# Altium PCB PrintNC_GRBLHAL_Breakout.pcbdoc (part 6 of 9) (continued)
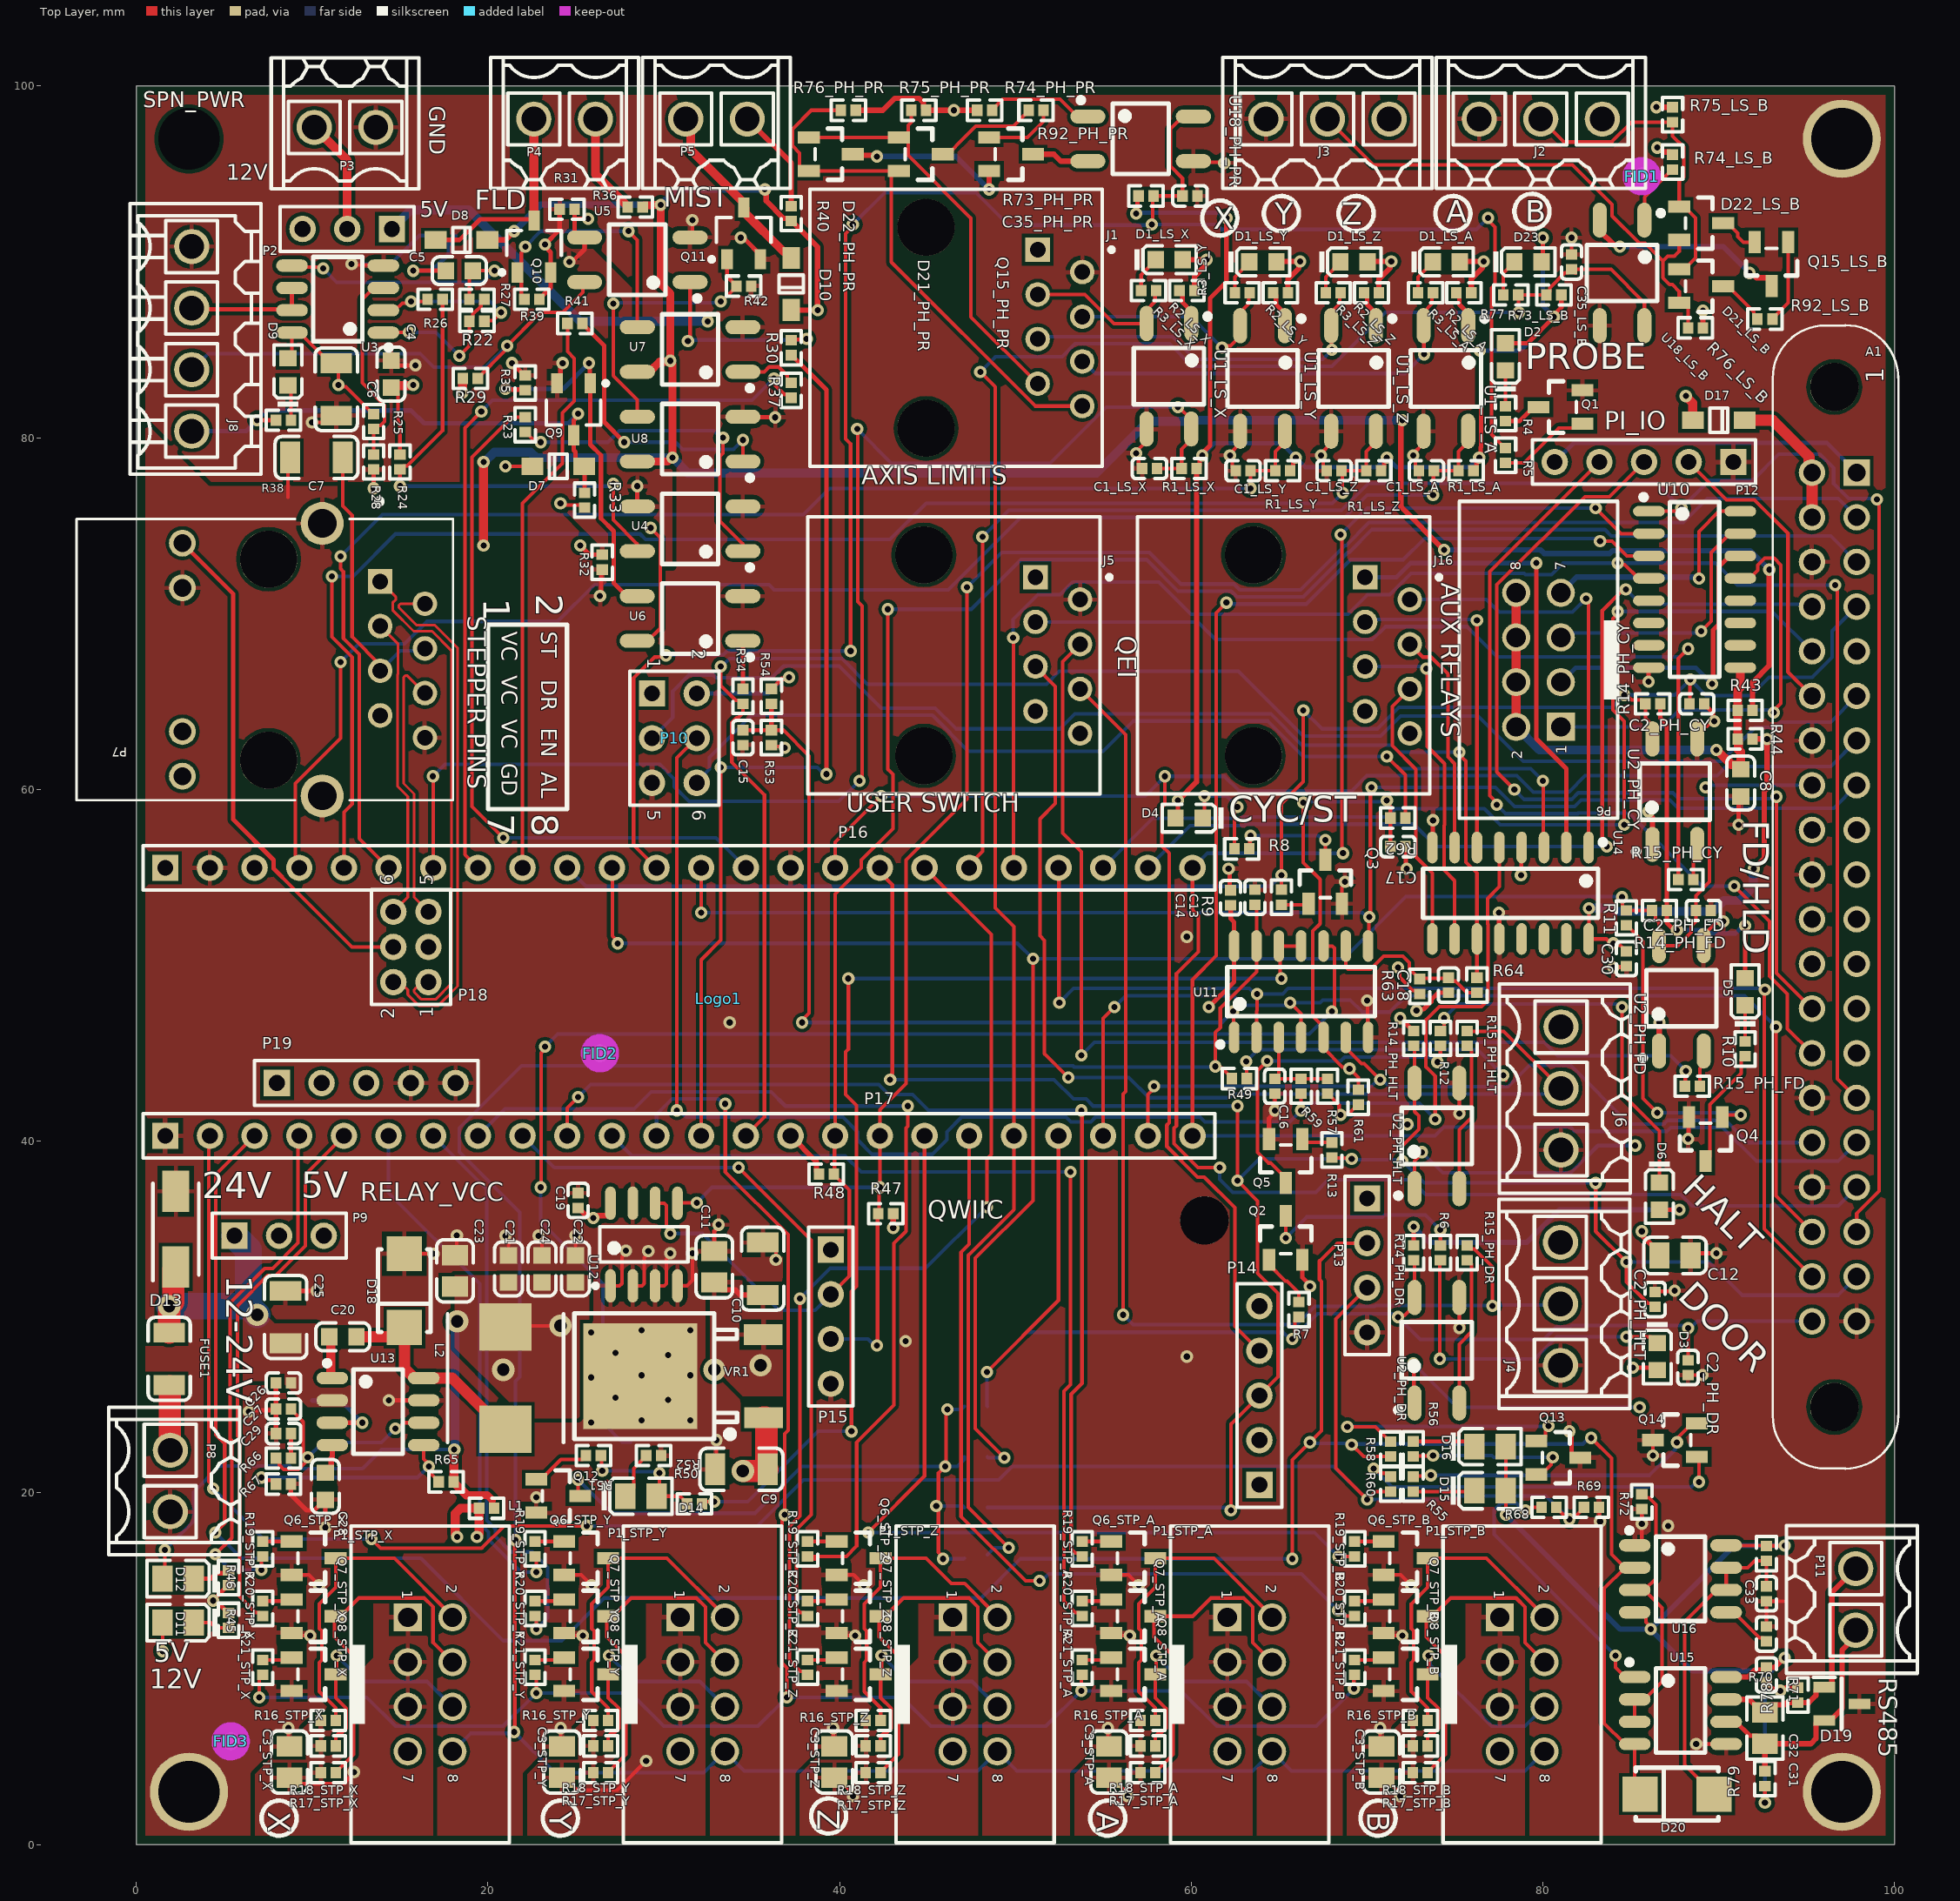
[diagram p0: Top Layer view]
## Nets (pads, with @x,y where several pads share a name; then routed paths per layer and width w, separated by ;. In a path a pad name is that pad's centre, name@x,y a point inside that pad or via, vN(x,y) a via of type N, cw(c..) or ccw(c..) an arc to the next point about the centre after c; other vN are vias at no path point) (continued)
  other v1: 87.125,18.125 85.625,18.25 22.75,19.75 25.875,24 28.75,24.125 31.5,24.125 30.25,25.281 27.25,25.406 25.875,26.562 28.75,26.688 31.5,26.688 59.75,27.75 30.25,27.844 27.25,27.969 43.75,28.625 25.875,29.125 28.75,29.25 31.5,29.25 33.75,46.75 59.75,51.625 62.2,79 67.375,79 72.625,79 56.875,79.125
HALT: A1.37 C2_PH_HLT.2 J13.2 P14.3 P16.17 R13.1 R14_PH_HLT.1 U2_PH_HLT.4 | length 124.3
  Top Layer w0.203: P16.17@42.291,55.547 42.291,55.283 43,54.574 43,43.867 42.97,43.837 42.97,43.595 v1(42.875,43.5) ; v1(62.25,19) 62.25,23.915 64.93,26.595 64.93,31.34 63.77,32.499 63.77,36.605 v1(62.625,37.75) v1(62.625,42) ; R13.1@68,39.075 68.037,39.038 69.087,39.038 v1(69.125,39) ; v1(72,38.875) 72,39.742 72.946,40.687 72.946,41.435 72.702,41.679 72.702,45.364 R14_PH_HLT.1@72.644,45.422 ; v1(83,37.625) 83,34.875 v1(84.75,33.125) 84.75,31.994 85.971,30.773 86.177,30.773 C2_PH_HLT.2@86.375,30.575
  Bottom Layer w0.203: v1(42.875,43.5) 52.199,43.5 53.295,42.405 54.021,42.405 54.426,42 v1(62.625,42) ; J13.2@48.397,19.169 61.947,19.169 62.116,19 v1(62.25,19) ; v1(62.625,37.75) 63.875,39 v1(69.125,39) 69.187,38.938 71.937,38.938 73.25,37.625 v1(83,37.625) ; v1(84.75,33.125) 89.449,33.125 91.333,31.241 96.784,31.241 A1.37@97.843,32.3
HALT_out: J5.5 J6.A2 R15_PH_HLT.1 | length 60.3
  Top Layer w0.203: J5.5@51.14,66.99 52.274,65.856 52.274,59.205 51.396,58.328 51.396,51.677 51.655,51.419 51.655,44.97 v1(53,43.625) ; R15_PH_HLT.1@75.692,46.272 75.712,46.252 77.778,46.252 J6.A2@81.03,43
  Bottom Layer w0.203: v1(53,43.625) 56.449,43.625 57.604,42.47 62.17,42.47 62.388,42.689 80.719,42.689 J6.A2@81.03,43
HOLD_out: J5.4 R15_PH_FD.1 | length 60.5
  Top Layer w0.203: J5.4@53.68,68.26 52.68,67.26 52.68,57.529 53.75,56.459 v1(53.75,44.875) ; R15_PH_FD.1@88.075,43.125 88.1,43.15 88.1,43.975 v1(88.125,44)
  Bottom Layer w0.203: v1(53.75,44.875) 54.49,45.615 80.07,45.615 80.83,44.855 87.27,44.855 v1(88.125,44)
KPSTR: A1.13 P14.4 P16.16 | length 98.8
  Top Layer w0.203: P16.16@39.751,55.547 39.751,57.001 v1(42.375,59.625) ; v1(58.5,60.75) 58.5,59.156 58.335,58.991 58.335,56.79 58.75,56.375 58.75,41.052 58.61,40.912 58.61,39.702 60.353,37.959 60.738,37.959 62.481,36.217 62.481,29.474 P14.4@63.875,28.08
  Bottom Layer w0.203: v1(42.375,59.625) 57.375,59.625 v1(58.5,60.75) 61.899,60.75 62.72,59.929 69.129,59.929 69.979,60.78 78.521,60.78 79.455,59.845 81.47,59.845 82.405,60.78 89.905,60.78 90.424,61.299 96.362,61.299 A1.13@97.843,62.78
LIMIT_SW_LS_A: J1.6 R3_LS_A.1 U1_LS_A.2 | length 23.9
  Top Layer w0.203: U1_LS_A.2@73.21,86.375 73.23,86.355 73.23,84.77 v1(73.25,84.75) ; U1_LS_A.2@73.21,86.4 73.21,87.137 73.694,87.62 73.694,88.218 R3_LS_A.1@73.75,88.275
  Bottom Layer w0.203: J1.6@53.805,84.345 53.844,84.345 54.532,83.658 72.158,83.658 v1(73.25,84.75)
LIMIT_SW_LS_B: Q15_LS_B.3 U18_LS_B.2 | length 11.8
  Top Layer w0.305: U18_LS_B.2@83.23,92.375 83.23,91.775 84.054,90.951 84.299,90.951 v1(84.375,90.875) ; v1(91.75,89.375) 91.857,89.375 92.134,89.098 92.802,89.098 93,88.9 Q15_LS_B.3@93,88.625
  Bottom Layer w0.305: v1(84.375,90.875) 90.25,90.875 v1(91.75,89.375)
LIMIT_SW_LS_X: J1.3 R3_LS_X.1 U1_LS_X.2 | length 9
  Top Layer w0.203: J1.3@51.265,88.155 53.949,88.155 55.604,86.5 U1_LS_X.2@57.46,86.5 57.46,87.261 57.944,87.745 57.944,88.319 R3_LS_X.1@58,88.375
LIMIT_SW_LS_Y: J1.4 R3_LS_Y.1 U1_LS_Y.2 | length 12.7
  Top Layer w0.203: v1(61.75,85.125) 61.845,85.22 62.23,85.22 62.785,85.775 62.785,87.137 63.269,87.62 63.269,88.194 R3_LS_Y.1@63.325,88.25
  Bottom Layer w0.203: J1.4@53.805,86.885 59.99,86.885 v1(61.75,85.125)
LIMIT_SW_LS_Z: J1.5 R3_LS_Z.1 U1_LS_Z.2 | length 21
  Top Layer w0.203: U1_LS_Z.2@67.96,86.375 67.98,86.355 67.98,85.02 v1(68,85) ; U1_LS_Z.2@67.96,86.4 67.96,87.137 68.444,87.62 68.444,88.218 R3_LS_Z.1@68.5,88.275
  Bottom Layer w0.203: J1.5@51.265,85.615 51.401,85.751 58.934,85.751 60.215,84.47 67.47,84.47 v1(68,85)
LIMIT_SW_PH_PR: Q15_PH_PR.3 U18_PH_PR.2 | length 3.3
  Top Layer w0.305: Q15_PH_PR.3@51,96.125 52.187,96.125 52.582,95.73 U18_PH_PR.2@54.125,95.73
MAXLIM_LS_B: D21_LS_B.2 D22_LS_B.2 J3.A2 R76_LS_B.1 | length 29.2
  Top Layer w0.203: J3.A2@67.75,98.125 70.351,95.524 81.677,95.524 83.935,93.267 83.935,92.614 85.478,91.07 85.801,91.07 86.82,90.051 ; D22_LS_B.2@87.75,91.25 87.75,90.595 87.478,90.323 87.092,90.323 86.82,90.051 ; R76_LS_B.1@88.25,86.25 88.25,87.427 88.002,87.675 D21_LS_B.2@87.75,87.675 87.75,88.33 87.365,88.714 87.205,88.714 86.82,89.099 86.82,90.051
MAXLIM_PH_PR: D21_PH_PR.2 D22_PH_PR.2 J1.8 R76_PH_PR.1 | length 30.8
  Top Layer w0.203: R76_PH_PR.1@40.075,98.625 38.394,98.625 37.32,97.551 37.32,96.599 37.727,96.193 37.727,95.423 37.975,95.175 D21_PH_PR.2@43.198,95.175 ; D21_PH_PR.2@43.375,95.175 D21_PH_PR.2@43.198,95.175 ; J1.8@53.805,81.805 51.121,81.805 42.934,89.992 42.934,94.927 43.183,95.175 D21_PH_PR.2@43.198,95.175
MINLIM_LS_B: D21_LS_B.1 D22_LS_B.1 J2.A2 R75_LS_B.1 | length 18.3
  Top Layer w0.203: J2.A2@79.875,98.125 81.18,96.82 83.915,96.82 85.045,97.95 R75_LS_B.1@87.375,97.95 87.375,97.156 88.005,96.526 88.005,94.824 87.75,94.569 D22_LS_B.1@87.75,93.15 88.025,93.15 88.68,92.495 88.68,90.23 88.025,89.575 D21_LS_B.1@87.75,89.575
MINLIM_PH_PR: D21_PH_PR.1 D22_PH_PR.1 J1.7 R75_PH_PR.1 | length 24.3
  Top Layer w0.203: D22_PH_PR.1@38.25,97.075 D21_PH_PR.1@43.65,97.075 ; R75_PH_PR.1@44.075,98.625 44.075,97.951 43.898,97.774 43.898,97.323 D21_PH_PR.1@43.65,97.075 ; J1.7@51.265,83.075 47.468,86.872 47.468,92.488 43.898,96.057 43.898,96.827 D21_PH_PR.1@43.65,97.075
MIST: P16.9 R41.1 | length 32.3
  Top Layer w0.203: P16.9@21.971,55.547 21.971,76.265 24.245,78.54 24.245,81.421 24.905,82.08 24.905,84.521 24.525,84.901 R41.1@24.525,86.5
MIST_n: D10.1 P5.A2 Q11.3 | length 10.2
  Top Layer w0.508: P5.A2@31.25,98.125 31.535,97.84 31.535,96.365 Q11.3@34.479,93.421 ; Q11.3@34.55,93.1 34.621,93.029 34.621,92.779 36.804,90.596 37.004,90.596 37.25,90.35 D10.1@37.25,90.225
NetA1_2: A1.2 A1.4 D17.2 | length 8
  Top Layer w0.635: D17.2@91.475,81 93.053,81 95.136,78.917 95.136,78.187 A1.2@95.303,78.02 A1.4@95.303,75.48
NetC5_1: C5.1 J7.2 | length 5.5
  Top Layer w0.254: v1(15.75,89.5) C5.1@17.605,89.5
  Bottom Layer w0.254: v1(15.75,89.5) 16.817,89.5 17.777,90.46 17.777,91.127 J7.2@18.15,91.5
NetC5_2: C5.2 R27.1 U3.5 | length 15.1
  Top Layer w0.203: U3.5@8.856,89.791 8.939,89.708 10.542,89.708 v1(10.625,89.625) ; R27.1@18.95,87.875 18.95,89.305 C5.2@19.145,89.5 v1(20.375,89.5)
  Bottom Layer w0.203: v1(10.625,89.625) 11.405,88.845 19.72,88.845 v1(20.375,89.5)
NetC7_2: C7.2 P7.4 P7.5 | length 16.1
  Top Layer w0.203: C7.2@11.74,78.875 11.74,76.123 12.28,75.583 12.28,68.671 13.876,67.074 P7.5@13.876,66.752
  Bottom Layer w0.203: P7.5@13.876,66.752 15.006,67.882 16.276,67.882 P7.4@16.416,68.022
NetC15_2: C15.2 R53.1 R54.2 U11.1 | length 47.5
  Top Layer w0.203: C15.2@34.5,63.375 R53.1@36.125,63.375 36.801,63.375 38.266,61.91 38.266,47.275 37.875,46.884 v1(37.875,46.75) ; v1(62.375,47.375) 62.408,47.343 62.408,45.932 U11.1@62.44,45.9
  Top Layer w0.254: R53.1@36.125,63.375 R54.2@36.125,64.875
  Bottom Layer w0.203: v1(37.875,46.75) 61.75,46.75 v1(62.375,47.375)
NetC16_2: C16.2 R57.1 R59.2 U11.3 | length 5.4
  Top Layer w0.203: C16.2@64.75,43.55 C16.2@64.775,43.55 ; U11.3@64.98,45.9 64.98,44.436 64.973,44.429 64.973,43.748 C16.2@64.775,43.55 ; R57.1@67.75,43.55 R59.2@66.25,43.55 C16.2@64.775,43.55
NetC17_2: C17.2 R61.1 R62.2 U11.5 | length 25.7
  Top Layer w0.203: v1(66.375,59.25) 66.375,55.844 67.33,54.89 67.33,52.365 66.915,51.95 66.915,47.105 67.52,46.5 67.52,45.3 68.6,44.22 68.784,44.22 68.94,44.065 69.06,44.065 69.5,43.625 R61.1@69.5,42.925 ; v1(71.125,59.375) 71.125,59.241 71.325,59.041 C17.2@71.325,56.75
  Bottom Layer w0.203: v1(66.375,59.25) 66.437,59.313 71.063,59.313 v1(71.125,59.375)
  other v1: 69,44.125
NetC18_2: C18.2 R63.1 R64.2 U11.9 | length 10.2
  Top Layer w0.203: U11.9@68.79,51.1 68.79,49.895 68.909,49.776 70.191,49.776 70.945,50.53 72.021,50.53 72.405,50.146 72.405,49.795 72.975,49.225 R63.1@73,49.225 73.038,49.263 74.587,49.263 C18.2@74.625,49.3 74.823,49.102 75.029,49.102 75.681,48.45 R64.2@76.25,48.45
NetC20_1: C20.1 U13.1 | length 2.4
  Top Layer w0.508: C20.1@10.98,28.875 11.065,28.79 11.065,26.615 U13.1@11.15,26.53
NetC20_2: C20.2 D18.2 L2.1 U13.8 | length 12.4
  Top Layer w0.635: C20.2@12.52,28.875 14.725,28.875 D18.2@15.25,29.4 15.25,27.098 15.818,26.53 17.97,26.53 20.875,23.625 L2.1@21,23.625
NetC27_2: C27.2 R66.2 U13.6 | length 13
  Top Layer w0.203: R66.2@7.95,21.971 8.148,21.773 8.148,21.567 8.374,21.341 9.226,21.341 9.66,21.775 9.66,21.932 v1(9.755,22.027) ; C27.2@8.8,24.765 8.8,24.74 9.5,24.04 v1@9.5,22.027 ; v1(14.733,23.656) 14.867,23.656 15.201,23.99 U13.6@16.35,23.99
  Bottom Layer w0.203: v1(9.755,22.027) 10.597,22.869 13.946,22.869 v1(14.733,23.656)
NetC28_2: C28.2 U13.4 | length 1.8
  Top Layer w0.305: C28.2@10.75,21.145 10.775,21.145 11.088,21.458 11.088,21.972 11.15,22.035 U13.4@11.15,22.72
NetC29_2: C29.2 R66.1 | length 1.4
  Top Layer w0.254: R66.1@8.8,21.971 C29.2@8.8,23.375
NetC32_1: C32.1 U16.5 | length 3
  Top Layer w0.203: U16.5@90.421,13.208 90.848,13.208 92.306,11.75 92.512,11.75 C32.1@92.71,11.552
NetC33_2: C33.2 D20.1 R71.1 U16.6 U16.7 | length 18.9
  Top Layer w0.203: D20.1@89.725,2.875 88.06,4.54 88.06,12.667 89.871,14.478 U16.6@90.421,14.478 90.421,15.519 90.65,15.748 U16.7@90.671,15.748 ; U16.7@90.421,15.748 U16.7@90.671,15.748 ; C33.2@92.71,14.688 R71.1@92.71,16.129 92.034,16.129 91.653,15.748 U16.7@90.671,15.748
NetD1_LS_A_K: D1_LS_A.K R3_LS_A.2 | length 2.1
  Top Layer w0.203: R3_LS_A.2@72.9,88.275 72.9,89.145 73.73,89.975 D1_LS_A.K@73.73,90
NetD1_LS_X_K: D1_LS_X.K R3_LS_X.2 | length 2.1
  Top Layer w0.203: R3_LS_X.2@57.15,88.375 57.15,89.27 57.98,90.1 D1_LS_X.K@57.98,90.125
NetD1_LS_Y_K: D1_LS_Y.K R3_LS_Y.2 | length 2.1
  Top Layer w0.203: R3_LS_Y.2@62.475,88.275 62.475,89.145 63.305,89.975 D1_LS_Y.K@63.305,90
NetD1_LS_Z_K: D1_LS_Z.K R3_LS_Z.2 | length 2.1
  Top Layer w0.203: R3_LS_Z.2@67.65,88.275 67.65,89.145 68.48,89.975 D1_LS_Z.K@68.48,90
NetD2_K: D2.K R4.1 | length 2
  Top Layer w0.203: R4.1@77.875,81.8 D2.K@77.875,83.835
NetD3_K: D3.K R6.1 | length 18.7
  Top Layer w0.203: v1(74.125,27.625) 74.125,33.187 R6.1@74.168,33.23 ; v1(84.75,28.875) 86.145,28.875 D3.K@86.5,28.52
  Bottom Layer w0.203: v1(74.125,27.625) 79.53,27.625 80.78,28.875 v1(84.75,28.875)
NetD4_K: D4.K R8.1 | length 5.9
  Top Layer w0.203: D4.K@60.645,58.375 60.75,58.48 v1(60.75,59.625) ; R8.1@62.45,56.625 62.45,58.705 62.62,58.875 v1(62.62,59.009)
  Bottom Layer w0.203: v1(60.75,59.625) 62.004,59.625 v1(62.62,59.009)
NetD5_K: D5.K R10.1 | length 2.1
  Top Layer w0.203: R10.1@91.5,45.675 D5.K@91.5,47.73
NetD6_K: D6.K R12.1 | length 22.2
  Top Layer w0.203: R12.1@74.168,46.272 74.177,46.272 74.375,46.47 v1(74.375,47) ; v1(84.5,47.625) 84.5,42.699 86.625,40.574 D6.K@86.625,37.645
  Bottom Layer w0.203: v1(74.375,47) 75.18,47.805 84.186,47.805 84.366,47.625 v1(84.5,47.625)
NetD9_K: D9.K R38.2 | length 2.1
  Top Layer w0.203: D9.K@8.625,82.98 8.8,82.805 R38.2@8.8,81
NetD11_K: D11.K R45.2 | length 2.1
  Top Layer w0.203: D11.K@3.265,12.625 4.235,12.625 4.535,12.325 R45.2@5.25,12.325
NetD12_K: D12.K R46.2 | length 2.2
  Top Layer w0.254: D12.K@3.28,15.125 4.234,15.125 4.544,15.435 5.085,15.435 R46.2@5.25,15.6
NetD14_A: D14.A J10.2 R50.1 R51.1 | length 7.5
  Top Layer w0.203: R51.1@26.425,22.125 26.462,22.087 26.462,21.288 v1(26.5,21.25) ; v1(29.75,21.125) 29.75,19.97 D14.A@29.592,19.812 30.913,19.812 31.325,19.4 R50.1@31.325,19.375
  Bottom Layer w0.203: v1(26.5,21.25) 28.125,21.25 28.173,21.202 29.673,21.202 v1(29.75,21.125)
NetD14_K: D14.K R52.2 | length 2.8
  Top Layer w0.203: D14.K@27.812,19.812 28.29,20.29 28.29,21.39 29,22.1 R52.2@29,22.125
NetD15_K: D15.K R55.2 | length 3.5
  Top Layer w0.203: R55.2@72.625,20.075 76.053,20.075 D15.K@76.106,20.128
NetD16_K: D16.K R56.2 | length 3.6
  Top Layer w0.203: R56.2@72.625,22.925 75.809,22.925 D16.K@76.106,22.628
NetD21_LS_B_3: D21_LS_B.3 R92_LS_B.1 | length 2.8
  Top Layer w0.203: D21_LS_B.3@90.25,88.625 90.525,88.625 92.002,87.148 92.002,86.948 R92_LS_B.1@92.2,86.75
NetD21_PH_PR_3: D21_PH_PR.3 R92_PH_PR.1 | length 5.9
  Top Layer w0.203: D21_PH_PR.3@45.875,96.125 46.15,96.125 47.074,97.049 47.074,97.054 47.749,97.73 49.88,97.73 50.75,98.6 R92_PH_PR.1@50.75,98.625
NetD22_LS_B_3: D22_LS_B.3 Q15_LS_B.2 | length 2.4
  Top Layer w0.203: D22_LS_B.3@90.25,92.2 90.525,92.2 91.084,91.641 91.084,91.436 91.395,91.125 Q15_LS_B.2@92.05,91.125
NetD22_PH_PR_3: D22_PH_PR.3 Q15_PH_PR.2 | length 9.6
  Top Layer w0.305: D22_PH_PR.3@40.75,96.125 40.812,96.062 42.063,96.062 v1(42.125,96) ; v1(48.5,94.125) Q15_PH_PR.2@48.5,95.175
  Bottom Layer w0.305: v1(42.125,96) 46.625,96 v1(48.5,94.125)
NetD23_K: D23.K R77.2 | length 2.1
  Top Layer w0.203: R77.2@77.75,88.125 77.75,89.35 78.375,89.975 D23.K@78.375,90
NetFUSE1_1: FUSE1.1 P8.A1 | length 3.7
  Top Layer w0.762: FUSE1.1@1.875,26.135 FUSE1.1@1.907,26.103 ; P8.A1@1.907,22.455 P8.A1@1.939,22.423
  Top Layer w1.27: P8.A1@1.907,22.455 FUSE1.1@1.907,26.065
NetJ10_1: J10.1 U11.10 | length 74.9
  Top Layer w0.203: v1(23,37.375) 23.026,37.401 23.026,45.016 23.25,45.241 v1(23.25,45.375) ; U11.10@67.52,51.1 68.025,51.1 68.144,50.981 68.144,47.653 68,47.509 v1(68,47.375)
  Bottom Layer w0.203: v1(23,37.375) 23,35.426 26.53,31.896 26.53,23.995 27.625,22.9 J10.1@28.125,22.9 ; v1(23.25,45.375) 23.97,46.095 66.72,46.095 v1(68,47.375)
NetJ11_1: J11.1 J12.1 J13.1 J14.1 Q12.3 | length 38
  Top Layer w0.203: v1(25.125,20.75) 25.125,19.95 Q12.3@25.25,19.825 ; v1(45.875,16.25) 45.875,16.367 45.625,16.617 45.625,18.991 45.595,19.021 45.595,19.22 45.625,19.25 45.595,19.28 45.595,19.587 45.625,19.617 45.625,21.125 v1(46,21.5) ; v1@45.938,21.438 46.063,21.563 46.063,24.687 v1(46.125,24.75)
  Bottom Layer w0.203: v1(25.125,20.75) 27.03,18.845 35.187,18.845 37.842,21.5 46.699,21.5 47.097,21.898 J14.1@47.097,22.047 ; v1(45.5,19.25) 47.016,19.25 J13.1@47.097,19.169 ; v1(45.875,16.25) 47.057,16.25 J12.1@47.097,16.29 ; v1(46.125,24.75) 46.921,24.75 J11.1@47.097,24.926
NetJ15_2: J15.2 U13.3 | length 5.1
  Top Layer w0.254: U13.3@11.15,23.99 v1(12.865,23.99)
  Bottom Layer w0.254: J15.2@10.025,25.25 11.605,25.25 v1(12.865,23.99)
NetP4_A1: P4.A1 R36.2 | length 5.8
  Top Layer w0.508: P4.A1@26.114,98.125 26.114,94.986 27.904,93.196 27.904,93.171 R36.2@27.95,93.125
NetP5_A1: P5.A1 R40.2 | length 6
  Top Layer w0.305: P5.A1@34.75,98.125 37.25,95.625 R40.2@37.25,93.175
NetQ1_1: Q1.1 R5.2 | length 5.3
  Top Layer w0.203: R5.2@77.875,78.575 78.924,78.575 80.901,80.552 82.002,80.552 Q1.1@82.25,80.8
NetQ1_3: Q1.3 R4.2 | length 2.2
  Top Layer w0.254: R4.2@77.875,80.95 78.675,80.95 79.475,81.75 Q1.3@79.75,81.75
NetQ2_1: Q2.1 R7.2 | length 3.2
  Top Layer w0.203: Q2.1@64.425,33.25 64.425,32.975 65.35,32.05 65.448,32.05 66.125,31.374 R7.2@66.125,30.85
NetQ2_3: Q2.3 R6.2 | length 11.8
  Top Layer w0.203: v1(65.375,34.5) Q2.3@65.375,35.75 ; R6.2@74.168,34.08 v1(74.168,34.957)
  Bottom Layer w0.203: v1(65.375,34.5) 66.565,35.69 70.876,35.69 70.984,35.799 73.326,35.799 v1(74.168,34.957)
NetQ3_1: Q3.1 R9.2 | length 1.6
  Top Layer w0.203: R9.2@65.125,53.45 66.625,53.45 Q3.1@66.675,53.5
NetQ3_3: Q3.3 R8.2 | length 6.3
  Top Layer w0.203: R8.2@63.3,56.625 63.338,56.663 63.338,57.338 v1(63.375,57.375) ; Q3.3@67.625,56 v1(67.625,57.125)
  Bottom Layer w0.203: v1(63.375,57.375) 67.241,57.375 67.491,57.125 v1(67.625,57.125)
NetQ4_1: Q4.1 R11.2 | length 17.3
  Top Layer w0.203: R11.2@84.75,52.275 84.775,52.275 85.689,51.361 85.689,42.436 v1(86.5,41.625) ; Q4.1@90.2,41.375 90.325,41.5 v1(91.25,41.5)
  Bottom Layer w0.203: v1(86.5,41.625) 90.991,41.625 91.116,41.5 v1(91.25,41.5)
NetQ4_3: Q4.3 R10.2 | length 6.9
  Top Layer w0.203: Q4.3@89.25,38.875 89.498,39.123 89.498,42.079 91.277,43.857 91.277,44.627 91.475,44.825 R10.2@91.5,44.825
NetQ5_1: Q5.1 R13.2 | length 1.8
  Top Layer w0.203: Q5.1@66.325,40.125 66.525,39.925 R13.2@68,39.925
NetQ5_3: Q5.3 R12.2 | length 18.8
  Top Layer w0.203: v1(64.306,44.554) 63.77,44.018 63.77,39.374 64.383,38.761 64.514,38.761 65.375,37.9 Q5.3@65.375,37.625 ; v1(74,44.5) 74,44.634 74.168,44.802 R12.2@74.168,45.422
  Bottom Layer w0.203: v1(64.306,44.554) 68.504,44.554 68.729,44.78 73.586,44.78 73.866,44.5 v1(74,44.5)
NetQ6_STP_A_1: Q6_STP_A.1 R19_STP_A.2 | length 1.7
  Top Layer w0.203: R19_STP_A.2@53.799,17.236 Q6_STP_A.1@55.45,17.236
NetQ6_STP_B_1: Q6_STP_B.1 R19_STP_B.2 | length 1.7
  Top Layer w0.203: R19_STP_B.2@69.293,17.236 Q6_STP_B.1@70.944,17.236
NetQ6_STP_X_1: Q6_STP_X.1 R19_STP_X.2 | length 1.7
  Top Layer w0.203: R19_STP_X.2@7.19,17.236 Q6_STP_X.1@8.841,17.236
NetQ6_STP_Y_1: Q6_STP_Y.1 R19_STP_Y.2 | length 1.7
  Top Layer w0.203: R19_STP_Y.2@22.684,17.236 Q6_STP_Y.1@24.335,17.236
NetQ6_STP_Z_1: Q6_STP_Z.1 R19_STP_Z.2 | length 1.7
  Top Layer w0.203: R19_STP_Z.2@38.178,17.236 Q6_STP_Z.1@39.829,17.236
NetQ7_STP_A_1: Q7_STP_A.1 R20_STP_A.2 | length 1.7
  Top Layer w0.203: R20_STP_A.2@53.799,13.851 55.367,13.851 Q7_STP_A.1@55.45,13.934
NetQ7_STP_B_1: Q7_STP_B.1 R20_STP_B.2 | length 1.7
  Top Layer w0.203: R20_STP_B.2@69.293,13.851 70.861,13.851 Q7_STP_B.1@70.944,13.934
NetQ7_STP_X_1: Q7_STP_X.1 R20_STP_X.2 | length 1.7
  Top Layer w0.203: R20_STP_X.2@7.19,13.851 8.758,13.851 Q7_STP_X.1@8.841,13.934
NetQ7_STP_Y_1: Q7_STP_Y.1 R20_STP_Y.2 | length 1.7
  Top Layer w0.203: R20_STP_Y.2@22.684,13.851 24.252,13.851 Q7_STP_Y.1@24.335,13.934
NetQ7_STP_Z_1: Q7_STP_Z.1 R20_STP_Z.2 | length 1.7
  Top Layer w0.203: R20_STP_Z.2@38.178,13.851 39.746,13.851 Q7_STP_Z.1@39.829,13.934
NetQ8_STP_A_1: Q8_STP_A.1 R21_STP_A.2 | length 1.7
  Top Layer w0.203: R21_STP_A.2@53.799,10.505 55.323,10.505 Q8_STP_A.1@55.45,10.632
NetQ8_STP_B_1: Q8_STP_B.1 R21_STP_B.2 | length 1.7
  Top Layer w0.203: R21_STP_B.2@69.293,10.505 70.817,10.505 Q8_STP_B.1@70.944,10.632
NetQ8_STP_X_1: Q8_STP_X.1 R21_STP_X.2 | length 1.7
  Top Layer w0.203: R21_STP_X.2@7.19,10.505 8.714,10.505 Q8_STP_X.1@8.841,10.632
NetQ8_STP_Y_1: Q8_STP_Y.1 R21_STP_Y.2 | length 1.7
  Top Layer w0.203: R21_STP_Y.2@22.684,10.505 24.208,10.505 Q8_STP_Y.1@24.335,10.632
NetQ8_STP_Z_1: Q8_STP_Z.1 R21_STP_Z.2 | length 1.7
  Top Layer w0.203: R21_STP_Z.2@38.178,10.505 39.702,10.505 Q8_STP_Z.1@39.829,10.632
NetQ9_1: Q9.1 R35.1 U6.3 | length 21.3
  Top Layer w0.254: v1(21,82.783) 21.041,82.741 22.084,82.741 R35.1@22.125,82.7 ; v1(25.75,84.25) 25.787,84.212 25.787,83.138 Q9.1@25.825,83.1 25.825,79.617 26.43,79.012 26.43,75.419 27.155,74.694 27.155,71.734 27.896,70.993 U6.3@28.496,70.993
  Bottom Layer w0.254: v1(21,82.783) 24.283,82.783 v1(25.75,84.25)
NetQ10_1: Q10.1 R39.2 U7.3 | length 15.3
  Top Layer w0.203: R39.2@22.075,87.875 21.898,88.052 21.898,88.927 21.578,89.247 21.898,89.567 21.898,90.514 22.125,90.741 v1(22.125,90.875) ; v1(28,91.75) 28.5,91.25 U7.3@28.5,86.294
  Bottom Layer w0.203: v1(22.125,90.875) 23,91.75 v1(28,91.75)
NetQ11_1: Q11.1 R42.2 U8.3 | length 16
  Top Layer w0.203: v1(27.125,87.625) 27.125,83.533 28.5,82.158 U8.3@28.5,81.194 ; v1(33.25,87.75) 33.275,87.75 R42.2@34.125,88.6 ; Q11.1@33.6,90.15 33.6,89.175 R42.2@34.125,88.65
  Bottom Layer w0.203: v1@27.232,87.587 27.333,87.687 33.187,87.687 v1(33.25,87.75)
NetQ12_1: Q12.1 R51.2 | length 3.4
  Top Layer w0.203: Q12.1@22.75,20.775 23.025,20.775 24.152,21.902 25.377,21.902 25.575,22.1 R51.2@25.575,22.125
NetQ13_1: Q13.1 R58.1 | length 15.6
  Top Layer w0.203: v1(68.875,23.75) 70.48,23.75 71.309,22.921 R58.1@71.334,22.921 ; Q13.1@79.625,22.95 79.9,22.95 80.148,23.198 80.148,23.514 80.313,23.678 v1(80.313,23.812)
  Bottom Layer w0.203: v1(68.875,23.75) 68.906,23.781 80.281,23.781 v1(80.313,23.812)
NetQ13_2: Q13.2 R56.1 | length 9.5
  Top Layer w0.203: R56.1@72.625,22.075 72.65,22.1 73.725,22.1 v1(73.75,22.125) ; Q13.2@79.625,21.05 79.9,21.05 80.46,21.61 80.46,21.925 v1(80.555,22.021)
  Bottom Layer w0.203: v1(73.75,22.125) 77.1,22.125 77.205,22.021 v1(80.555,22.021)
NetQ14_1: Q14.1 R60.2 | length 21.7
  Top Layer w0.203: v1(70.375,21.375) 70.509,21.375 70.765,21.119 71.136,21.119 R60.2@71.334,20.921 ; Q14.1@88.75,22.05 88.875,21.925 v1(88.875,20.625)
  Bottom Layer w0.203: v1(70.375,21.375) 71.405,20.345 88.461,20.345 88.741,20.625 v1(88.875,20.625)
NetQ14_2: Q14.2 R55.1 | length 17.7
  Top Layer w0.203: R55.1@72.625,20.925 72.663,20.963 73.587,20.963 v1(73.625,21) ; v1(87.625,22.875) 87.72,22.97 87.72,23.195 88.475,23.95 Q14.2@88.75,23.95
  Bottom Layer w0.203: v1(73.625,21) 86.051,21 87.53,22.479 87.53,22.78 v1(87.625,22.875)
NetQ15_LS_B_1: Q15_LS_B.1 R92_LS_B.2 | length 4.7
  Top Layer w0.203: R92_LS_B.2@93.05,86.75 93.05,86.775 93.95,87.675 Q15_LS_B.1@93.95,91.125
NetQ15_PH_PR_1: Q15_PH_PR.1 R92_PH_PR.2 | length 4.1
  Top Layer w0.203: Q15_PH_PR.1@48.5,97.075 50.68,97.075 51.6,97.995 R92_PH_PR.2@51.6,98.625
NetR2_LS_A_1: R2_LS_A.1 U1_LS_A.1 | length 2.2
  Top Layer w0.254: R2_LS_A.1@75.075,88.275 75.248,88.102 75.248,87.577 75.75,87.075 U1_LS_A.1@75.75,86.4
NetR2_LS_X_1: R2_LS_X.1 U1_LS_X.1 | length 2.2
  Top Layer w0.254: R2_LS_X.1@59.325,88.375 59.498,88.202 59.498,87.702 60,87.2 U1_LS_X.1@60,86.5
NetR2_LS_Y_1: R2_LS_Y.1 U1_LS_Y.1 | length 2.2
  Top Layer w0.254: R2_LS_Y.1@64.65,88.275 64.823,88.102 64.823,87.578 65.325,87.075 U1_LS_Y.1@65.325,86.4
NetR2_LS_Z_1: R2_LS_Z.1 U1_LS_Z.1 | length 2.2
  Top Layer w0.254: R2_LS_Z.1@69.825,88.275 69.998,88.102 69.998,87.577 70.5,87.075 U1_LS_Z.1@70.5,86.4
NetR15_PH_CY_2: R15_PH_CY.2 U2_PH_CY.2 | length 2.1
  Top Layer w0.203: R15_PH_CY.2@88.55,54.875 88.55,55.894 88.77,56.114 U2_PH_CY.2@88.77,56.875
NetR15_PH_DR_2: R15_PH_DR.2 U2_PH_DR.2 | length 8.5
  Top Layer w0.203: U2_PH_DR.2@75.242,25.11 75.242,28.457 75.947,29.162 75.947,33 75.717,33.23 R15_PH_DR.2@75.692,33.23
NetR15_PH_FD_2: R15_PH_FD.2 U2_PH_FD.2 | length 2.1
  Top Layer w0.203: R15_PH_FD.2@88.925,43.125 88.925,44.144 89.145,44.364 U2_PH_FD.2@89.145,45.125
NetR15_PH_HLT_2: R15_PH_HLT.2 U2_PH_HLT.2 | length 8.5
  Top Layer w0.203: U2_PH_HLT.2@75.242,37.302 75.242,40.649 75.947,41.354 75.947,45.192 75.717,45.422 R15_PH_HLT.2@75.692,45.422
NetR22_1: R22.1 R26.2 U3.2 | length 9.3
  Top Layer w0.203: U3.2@14.056,87.251 14.724,87.251 15.128,87.655 15.53,87.655 v1(15.625,87.75) 16.45,87.75 R26.2@16.575,87.875 ; R22.1@19.8,86.625 19.837,86.662 20.287,86.662 v1(20.75,87.125)
  Bottom Layer w0.203: v1(15.625,87.75) 20.125,87.75 v1(20.75,87.125)
NetR22_2: R22.2 R27.2 U3.1 | length 8.7
  Top Layer w0.203: U3.1@14.056,85.981 14.065,85.99 15.49,85.99 v1(15.5,86) ; v1(18.375,84.665) 18.95,85.24 R22.2@18.95,86.625 19.148,86.823 19.148,87.029 19.374,87.255 19.385,87.255 19.602,87.471 19.602,87.677 R27.2@19.8,87.875
  Bottom Layer w0.203: v1(15.5,86) 17.04,86 v1(18.375,84.665)
NetR23_2: R23.2 U4.1 | length 18.6
  Top Layer w0.203: R23.2@22.125,80.325 22.15,80.325 22.63,79.845 22.905,79.845 v1(23,79.75) ; v1(33.375,80) 33.375,79.125 33.195,78.946 33.195,75.265 34.5,73.96
  Bottom Layer w0.203: v1(23,79.75) 26.824,79.75 27.479,80.405 32.854,80.405 33.258,80 v1(33.375,80)
NetR24_2: R24.2 R26.1 U4.4 | length 27.9
  Top Layer w0.203: v1(15,77.25) R24.2@15,78.2 15.198,78.398 15.404,78.398 17.42,80.415 17.42,87.87 R26.1@17.425,87.875 ; v1(27.125,77.375) 27.125,75.335 28.5,73.96
  Bottom Layer w0.203: v1(15,77.25) 26.866,77.25 26.991,77.375 v1(27.125,77.375)
NetR25_2: R25.2 R28.1 U3.3 | length 11.2
  Top Layer w0.203: R28.1@13.5,79.05 R25.2@13.5,80.5 13.698,80.698 13.904,80.698 14.13,80.924 14.13,81.84 12.851,83.118 12.851,87.866 13.506,88.521 U3.3@14.056,88.521
NetR30_2: R30.2 U5.1 | length 11.1
  Top Layer w0.203: v1(31.375,85.5) 31.375,85.634 31.5,85.759 U5.1@31.5,88.855 ; R30.2@37.25,85.55 37.287,85.588 38.088,85.588 v1(38.125,85.625)
  Bottom Layer w0.203: v1(31.375,85.5) 31.437,85.562 38.062,85.562 v1(38.125,85.625)
NetR34_2: R34.2 U6.1 | length 2.7
  Top Layer w0.254: U6.1@34.496,68.453 34.5,68.449 R34.2@34.5,65.725
NetR37_2: R37.2 U7.1 | length 3.4
  Top Layer w0.203: U7.1@34.5,83.754 35.724,83.754 35.999,84.03 36.541,84.03 37.027,83.544 37.027,83.323 37.225,83.125 R37.2@37.25,83.125
NetR41_2: R41.2 U8.1 | length 16.1
  Top Layer w0.203: U8.1@34.5,78.654 v1(34.5,79.875)
  Top Layer w0.254: R41.2@25.375,86.5 25.375,86.475 26.606,85.244 26.606,80.894 v1(27.75,79.75)
  Bottom Layer w0.203: v1(27.75,79.75) 30.658,79.75 31.063,79.345 33.97,79.345 v1(34.5,79.875)
NetR65_1: R65.1 R67.2 U13.5 | length 13.2
  Top Layer w0.203: v1(7.125,20.875) 7.259,20.875 7.411,20.723 7.752,20.723 7.95,20.525 R67.2@7.95,20.5 ; U13.5@16.35,22.72 16.35,21.931 16.639,21.643 v1(16.639,21.508) 16.734,21.413 16.734,21.116 17.2,20.65 R65.1@17.2,20.625
  Bottom Layer w0.203: v1(7.125,20.875) 16.006,20.875 v1(16.639,21.508)
NetR68_1: R68.1 U15.1 | length 16.2
  Top Layer w0.203: v1(79,19) 79.134,19 79.311,19.177 R68.1@79.922,19.177 ; v1(84.125,10.75) 84.125,10.071 84.671,9.525 U15.1@85.221,9.525
  Bottom Layer w0.203: v1(79,19) 78.905,19 78.49,19.416 77.615,19.416 77.231,19.032 77.231,17.644 v1(84.125,10.75)
NetR74_LS_B_1: R74_LS_B.1 U18_LS_B.1 | length 3.6
  Top Layer w0.203: U18_LS_B.1@85.77,92.375 85.78,92.385 85.78,93.68 87.35,95.25 R74_LS_B.1@87.375,95.25
NetR74_PH_PR_1: R74_PH_PR.1 U18_PH_PR.1 | length 6.1
  Top Layer w0.203: R74_PH_PR.1@48.675,98.625 48.675,98.65 49.28,99.255 52.54,99.255 53.525,98.27 U18_PH_PR.1@54.125,98.27
PI+3.3V: A1.1 P12.5 | length 18.3
  Bottom Layer w0.254: P12.5@80.67,78.625 81.75,79.705 96.158,79.705 A1.1@97.843,78.02
PI_GPIO0: A1.28 P12.4 | length 49
  Top Layer w0.203: v1(77.375,59.125) 77.375,59.239 76.969,59.645 76.969,72.384 P12.4@83.21,78.625 ; v1(90.875,54.5) 92.881,52.494 92.881,49.387 93.905,48.364 93.905,46.398 A1.28@95.303,45
  Bottom Layer w0.203: v1(77.375,59.125) 77.874,58.626 81.975,58.626 82.004,58.655 84.896,58.655 89.051,54.5 v1(90.875,54.5)
PI_GPIO1: A1.26 P12.3 | length 51.7
  Top Layer w0.203: v1(78.375,60) 77.375,61 77.375,71.643 82.387,76.655 83.78,76.655 P12.3@85.75,78.625 ; v1(93.287,59.588) 93.287,49.556 A1.26@95.303,47.54
  Bottom Layer w0.203: v1(78.375,60) 78.936,59.439 81.639,59.439 82.011,59.811 87.387,59.811 87.728,59.47 93.035,59.47 93.153,59.588 v1(93.287,59.588)
PI_GPIO2: A1.12 P12.2 | length 17.1
  Top Layer w0.203: P12.2@88.29,78.625 90.445,76.47 92.03,76.47 93.936,74.564 93.936,66.687 A1.12@95.303,65.32
PROBE: C35_PH_PR.2 P16.12 R5.1 R73_PH_PR.1 U18_PH_PR.4 | length 109.6
  Top Layer w0.203: P16.12@29.591,55.547 28.28,56.858 28.28,66.336 29.474,67.53 30.03,67.53 v1(30.125,67.625) ; v1(40.625,67.875) 40.625,79.658 40.345,79.938 40.345,91.604 40.75,92.008 v1(40.75,92.125) ; v1(57.75,92.125) 57.8,92.175 57.8,93.7 R73_PH_PR.1@57.85,93.75 C35_PH_PR.2@59.5,93.75 59.5,94.759 58.82,95.438 58.82,97.565 59.525,98.27 U18_PH_PR.4@60.125,98.27 ; v1(76.875,92.5) 76.875,92.384 77.28,91.979 77.28,88.711 77.08,88.511 77.08,80.195 77.85,79.425 R5.1@77.875,79.425
  Bottom Layer w0.203: v1(30.125,67.625) 30.155,67.655 33.384,67.655 33.604,67.875 v1(40.625,67.875) ; v1(40.75,92.125) 42.571,93.946 47.754,93.946 49.604,92.095 57.72,92.095 v1(57.75,92.125) 61.449,92.125 61.729,91.845 76.22,91.845 v1(76.875,92.5)